# Altium PCB UCL-CPUM-H7-1.PcbDoc (part 2 of 3) (continued)
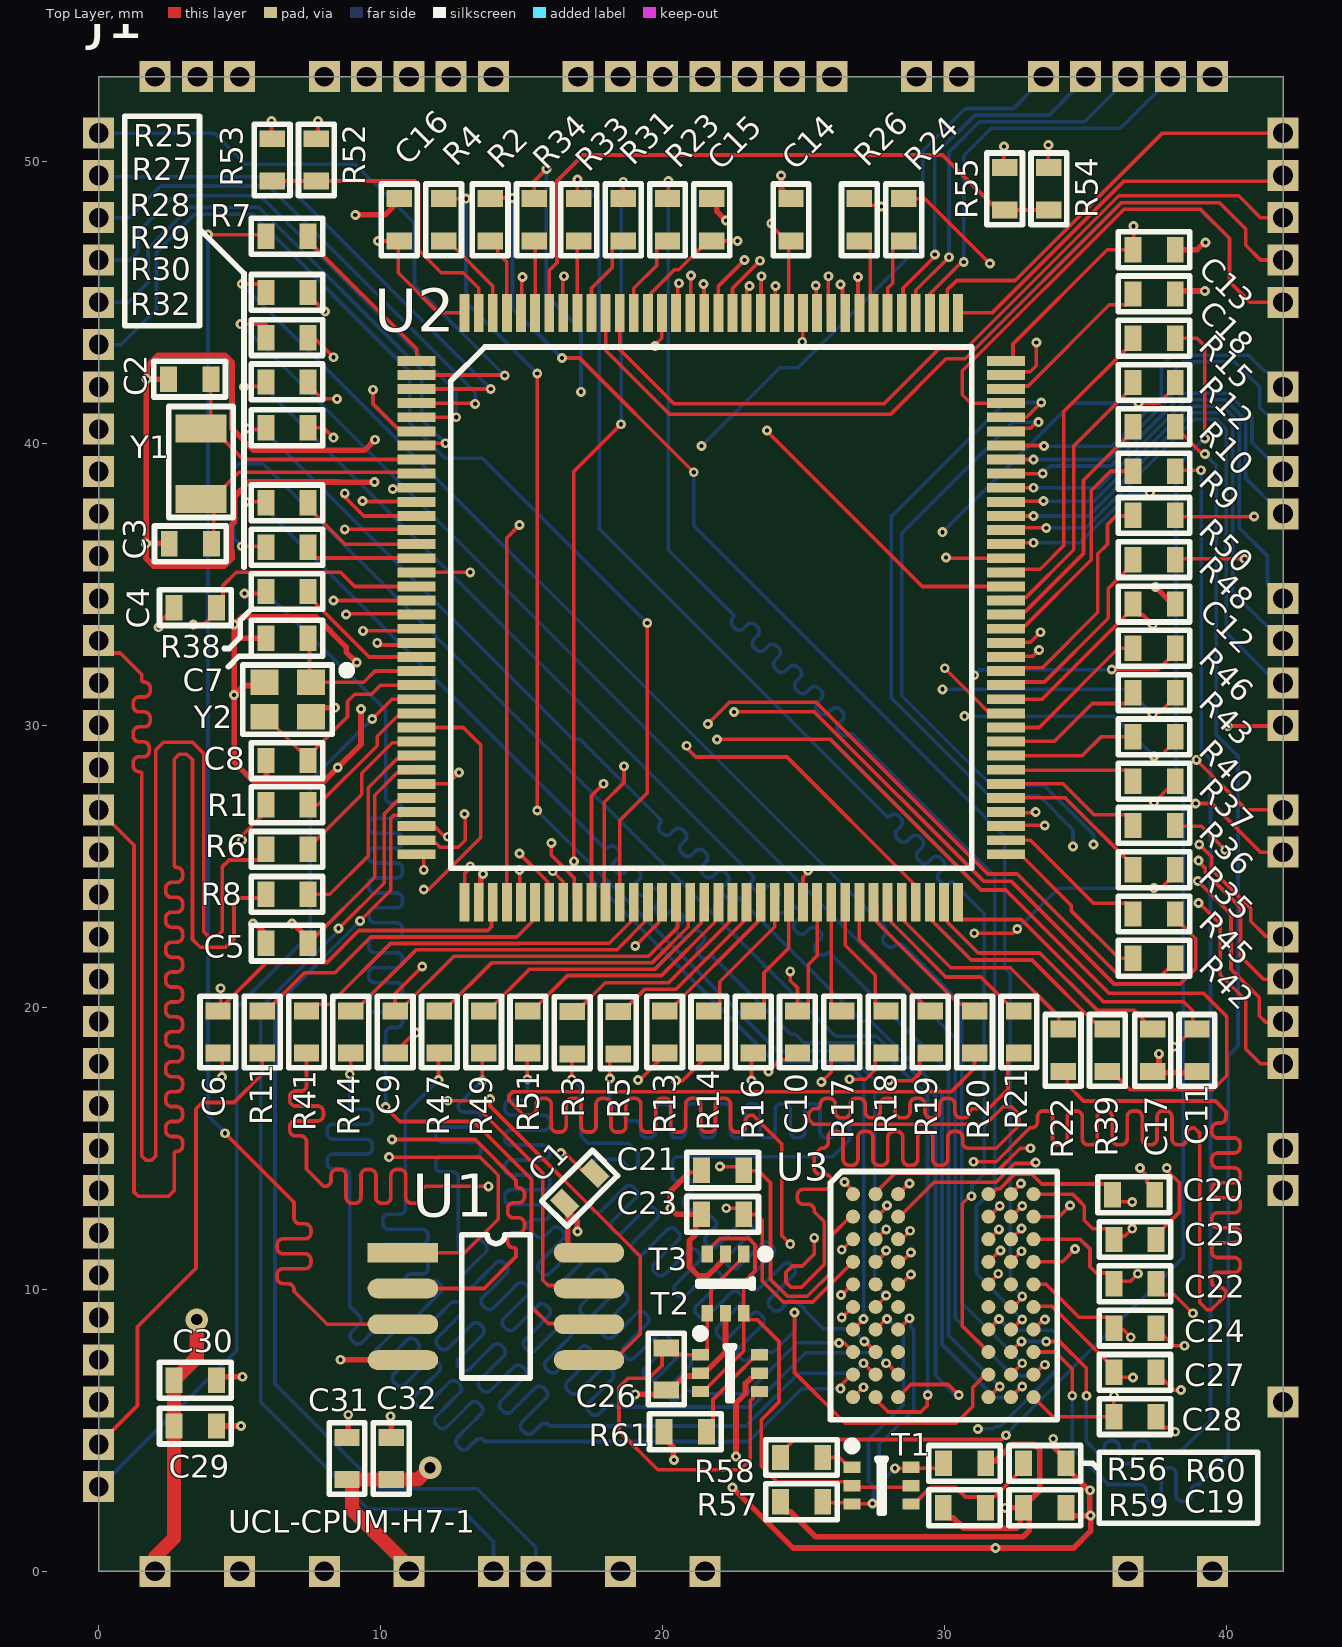
[diagram p0: Top Layer view]
## Nets (pads, with @x,y where several pads share a name; then routed paths per layer and width w, separated by ;. In a path a pad name is that pad's centre, name@x,y a point inside that pad or via, vN(x,y) a via of type N, cw(c..) or ccw(c..) an arc to the next point about the centre after c; other vN are vias at no path point) (continued)
SDRAM_A5: R32.1 U3.K3 | length 51.6
  Top Layer w0.13: v1(5.075,36.35) 5.916,36.35 R32.1@5.95,36.316 ; U3.K3@28.35,6.175 28.8,6.625 30.125,6.625 v1(30.5,6.25)
  Bottom Layer w0.13: v1(5.075,36.35) 4.779,36.646 4.779,39.079 4.975,39.275 5.825,39.275 26.125,18.975 27.595,18.975 29.675,16.895 29.675,6.95 30.05,6.575 30.05,6.55 30.308,6.292 30.458,6.292 v1(30.5,6.25)
SDRAM_A6: R44.1 U3.J1 | length 50.8
  Top Layer w0.13: v1(8.9,17.625) 8.939,17.664 R44.1@8.939,18.375 ; v1(26.301,6.476) 26.301,6.576 26.7,6.975 U3.J1@26.75,6.975
  Bottom Layer w0.13: v1(8.9,17.625) 8.9,16.65 8.9,16.597 ccw(c9.112,16.597) 9.112,16.385 9.488,16.385 cw(c9.488,16.173) 9.7,16.173 9.7,16.067 cw(c9.488,16.067) 9.488,15.855 8.9,15.855 8.312,15.855 ccw(c8.312,15.643) 8.1,15.643 8.1,15.537 ccw(c8.312,15.537) 8.312,15.325 8.9,15.325 9.488,15.325 cw(c9.488,15.113) 9.7,15.113 9.7,15.007 cw(c9.488,15.007) 9.488,14.795 8.9,14.795 8.312,14.795 ccw(c8.312,14.583) 8.1,14.583 8.1,14.477 ccw(c8.312,14.477) 8.312,14.265 8.688,14.265 cw(c8.688,14.053) 8.9,14.053 8.9,13.875 8.9,9.4 9.012,9.288 9.015,9.285 9.24,9.06 cw(c9.09,8.91) 9.24,8.76 8.974,8.494 ccw(c9.124,8.344) 8.974,8.194 9.049,8.119 ccw(c9.199,8.269) 9.349,8.119 9.765,8.535 10.181,8.951 cw(c10.331,8.801) 10.481,8.951 10.556,8.876 cw(c10.406,8.726) 10.556,8.576 10.14,8.16 9.724,7.744 ccw(c9.874,7.595) 9.724,7.445 9.799,7.37 ccw(c9.949,7.52) 10.099,7.37 10.514,7.786 10.93,8.201 cw(c11.08,8.051) 11.23,8.201 11.305,8.126 cw(c11.155,7.976) 11.305,7.827 10.889,7.411 10.473,6.995 ccw(c10.623,6.845) 10.473,6.695 10.548,6.62 ccw(c10.698,6.77) 10.848,6.62 11.264,7.036 11.68,7.452 cw(c11.83,7.302) 11.98,7.452 12.055,7.377 cw(c11.905,7.227) 12.055,7.077 11.639,6.661 11.223,6.245 ccw(c11.373,6.096) 11.223,5.946 11.298,5.871 ccw(c11.448,6.021) 11.598,5.871 12.014,6.286 12.429,6.702 cw(c12.579,6.552) 12.729,6.702 12.804,6.627 cw(c12.654,6.477) 12.804,6.327 12.388,5.912 11.973,5.496 ccw(c12.122,5.346) 11.973,5.196 12.047,5.121 ccw(c12.197,5.271) 12.347,5.121 12.763,5.537 13.179,5.953 cw(c13.329,5.803) 13.479,5.953 13.554,5.878 cw(c13.404,5.728) 13.554,5.578 13.138,5.162 12.722,4.746 ccw(c12.872,4.596) 12.722,4.447 12.797,4.372 ccw(c12.947,4.522) 13.097,4.372 13.363,4.637 cw(c13.513,4.488) 13.663,4.637 13.7,4.6 23.05,4.6 24.926,6.476 v1(26.301,6.476)
SDRAM_A7: R47.1 U3.J2 | length 50.8
  Top Layer w0.13: v1(12.05,17.425) 12.05,18.345 R47.1@12.08,18.375 ; v1(27.125,7.375) 27.525,6.975 U3.J2@27.55,6.975
  Bottom Layer w0.13: v1(12.05,17.425) 10.875,16.25 10.875,13 10.875,12.872 cw(c10.663,12.872) 10.663,12.66 10.287,12.66 ccw(c10.287,12.448) 10.075,12.448 10.075,12.342 ccw(c10.287,12.342) 10.287,12.13 10.875,12.13 11.463,12.13 cw(c11.463,11.918) 11.675,11.918 11.675,11.812 cw(c11.463,11.812) 11.463,11.6 10.875,11.6 10.287,11.6 ccw(c10.287,11.388) 10.075,11.388 10.075,11.282 ccw(c10.287,11.282) 10.287,11.07 10.875,11.07 11.463,11.07 cw(c11.463,10.858) 11.675,10.858 11.675,10.752 cw(c11.463,10.752) 11.463,10.54 11.087,10.54 ccw(c11.087,10.328) 10.875,10.328 10.875,10.275 10.941,10.209 11.166,9.984 ccw(c11.315,10.134) 11.465,9.984 11.731,10.25 cw(c11.881,10.1) 12.031,10.25 12.106,10.175 cw(c11.956,10.025) 12.106,9.876 11.69,9.46 11.274,9.044 ccw(c11.424,8.894) 11.274,8.744 11.349,8.669 ccw(c11.499,8.819) 11.649,8.669 12.065,9.085 12.481,9.501 cw(c12.631,9.351) 12.781,9.501 12.856,9.426 cw(c12.706,9.276) 12.856,9.126 12.44,8.71 12.024,8.294 ccw(c12.174,8.145) 12.024,7.995 12.099,7.92 ccw(c12.249,8.07) 12.399,7.92 12.814,8.336 13.23,8.751 cw(c13.38,8.601) 13.53,8.751 13.605,8.676 cw(c13.455,8.526) 13.605,8.377 13.189,7.961 12.773,7.545 ccw(c12.923,7.395) 12.773,7.245 12.848,7.17 ccw(c12.998,7.32) 13.148,7.17 13.564,7.586 13.98,8.002 cw(c14.13,7.852) 14.28,8.002 14.355,7.927 cw(c14.205,7.777) 14.355,7.627 13.939,7.211 13.523,6.795 ccw(c13.673,6.646) 13.523,6.496 13.598,6.421 ccw(c13.748,6.571) 13.898,6.421 14.314,6.836 14.729,7.252 cw(c14.879,7.102) 15.029,7.252 15.104,7.177 cw(c14.954,7.027) 15.104,6.877 14.688,6.462 14.273,6.046 ccw(c14.422,5.896) 14.273,5.746 14.347,5.671 ccw(c14.497,5.821) 14.647,5.671 15.063,6.087 15.479,6.503 cw(c15.629,6.353) 15.779,6.503 15.854,6.428 cw(c15.704,6.278) 15.854,6.128 15.438,5.712 15.022,5.296 ccw(c15.172,5.146) 15.022,4.997 15.097,4.922 ccw(c15.247,5.072) 15.397,4.922 15.663,5.187 cw(c15.813,5.038) 15.963,5.187 16,5.15 22.95,5.15 24.825,7.025 26.775,7.025 v1(27.125,7.375)
SDRAM_A8: R49.1 U3.J3 | length 51.5
  Top Layer w0.13: v1(13.6,17.4) 13.6,18.325 R49.1@13.65,18.375 ; v1(27.925,7.375) 27.95,7.375 U3.J3@28.35,6.975
  Bottom Layer w0.13: v1(13.6,17.4) 12.75,16.55 12.75,16.497 ccw(c12.962,16.497) 12.962,16.285 13.338,16.285 cw(c13.338,16.073) 13.55,16.073 13.55,15.967 cw(c13.338,15.967) 13.338,15.755 12.75,15.755 12.162,15.755 ccw(c12.162,15.543) 11.95,15.543 11.95,15.437 ccw(c12.162,15.437) 12.162,15.225 12.75,15.225 13.338,15.225 cw(c13.338,15.013) 13.55,15.013 13.55,14.907 cw(c13.338,14.907) 13.338,14.695 12.75,14.695 12.162,14.695 ccw(c12.162,14.483) 11.95,14.483 11.95,14.377 ccw(c12.162,14.377) 12.162,14.165 12.538,14.165 cw(c12.538,13.953) 12.75,13.953 12.75,13.925 12.75,11.7 12.75,11.69 12.75,11.425 12.766,11.409 ccw(c12.916,11.559) 13.066,11.409 13.332,11.675 cw(c13.482,11.525) 13.631,11.675 13.706,11.6 cw(c13.557,11.45) 13.706,11.3 13.291,10.884 12.875,10.469 ccw(c13.025,10.319) 12.875,10.169 12.95,10.094 ccw(c13.1,10.244) 13.25,10.094 13.665,10.51 14.081,10.925 cw(c14.231,10.775) 14.381,10.925 14.456,10.85 cw(c14.306,10.7) 14.456,10.551 14.04,10.135 13.624,9.719 ccw(c13.774,9.569) 13.624,9.419 13.699,9.344 ccw(c13.849,9.494) 13.999,9.344 14.415,9.76 14.831,10.176 cw(c14.981,10.026) 15.131,10.176 15.206,10.101 cw(c15.056,9.951) 15.206,9.801 14.79,9.385 14.374,8.969 ccw(c14.524,8.82) 14.374,8.67 14.449,8.595 ccw(c14.599,8.745) 14.749,8.595 15.164,9.011 15.58,9.426 cw(c15.73,9.276) 15.88,9.426 15.955,9.351 cw(c15.805,9.201) 15.955,9.052 15.539,8.636 15.123,8.22 ccw(c15.273,8.07) 15.123,7.92 15.198,7.845 ccw(c15.348,7.995) 15.498,7.845 15.914,8.261 16.33,8.677 cw(c16.48,8.527) 16.63,8.677 16.705,8.602 cw(c16.555,8.452) 16.705,8.302 16.289,7.886 15.873,7.47 ccw(c16.023,7.321) 15.873,7.171 15.948,7.096 ccw(c16.098,7.246) 16.248,7.096 16.664,7.511 17.079,7.927 cw(c17.229,7.777) 17.379,7.927 17.454,7.852 cw(c17.304,7.702) 17.454,7.552 17.038,7.137 16.623,6.721 ccw(c16.772,6.571) 16.623,6.421 16.697,6.346 ccw(c16.847,6.496) 16.997,6.346 17.413,6.762 17.829,7.178 cw(c17.979,7.028) 18.129,7.178 18.204,7.103 cw(c18.054,6.953) 18.204,6.803 17.788,6.387 17.372,5.971 ccw(c17.522,5.821) 17.372,5.672 17.447,5.597 ccw(c17.597,5.747) 17.747,5.597 18.013,5.862 cw(c18.163,5.713) 18.313,5.862 18.35,5.825 23.15,5.825 25.075,7.75 27.55,7.75 v1(27.925,7.375)
SDRAM_A9: R51.1 U3.H1 | length 51.6
  Top Layer w0.13: v1(15.2,17.45) 15.2,18.355 R51.1@15.22,18.375 ; v1(26.25,8.1) 26.425,8.1 U3.H1@26.75,7.775
  Bottom Layer w0.13: v1(15.2,17.45) 15.2,17.025 15.2,16.917 cw(c14.988,16.917) 14.988,16.705 14.616,16.705 ccw(c14.616,16.493) 14.404,16.493 14.404,16.387 ccw(c14.616,16.387) 14.616,16.175 15.2,16.175 15.784,16.175 cw(c15.784,15.963) 15.996,15.963 15.996,15.857 cw(c15.784,15.857) 15.784,15.645 15.2,15.645 14.616,15.645 ccw(c14.616,15.433) 14.404,15.433 14.404,15.327 ccw(c14.616,15.327) 14.616,15.115 15.2,15.115 15.784,15.115 cw(c15.784,14.903) 15.996,14.903 15.996,14.797 cw(c15.784,14.797) 15.784,14.585 15.2,14.585 14.616,14.585 ccw(c14.616,14.373) 14.404,14.373 14.404,14.267 ccw(c14.616,14.267) 14.616,14.055 15.2,14.055 15.784,14.055 cw(c15.784,13.843) 15.996,13.843 15.996,13.737 cw(c15.784,13.737) 15.784,13.525 15.2,13.525 14.616,13.525 ccw(c14.616,13.313) 14.404,13.313 14.404,13.207 ccw(c14.616,13.207) 14.616,12.995 15.2,12.995 15.784,12.995 cw(c15.784,12.783) 15.996,12.783 15.996,12.677 cw(c15.784,12.677) 15.784,12.465 15.412,12.465 ccw(c15.412,12.253) 15.2,12.253 15.2,12.2 15.291,12.109 15.516,11.884 ccw(c15.666,12.034) 15.816,11.884 16.079,12.147 cw(c16.229,11.997) 16.379,12.147 16.454,12.072 cw(c16.304,11.922) 16.454,11.772 16.041,11.359 15.628,10.946 ccw(c15.778,10.797) 15.628,10.647 15.703,10.572 ccw(c15.853,10.722) 16.002,10.572 16.415,10.985 16.828,11.398 cw(c16.978,11.248) 17.128,11.398 17.203,11.323 cw(c17.053,11.173) 17.203,11.023 16.79,10.61 16.377,10.197 ccw(c16.527,10.047) 16.377,9.897 16.452,9.822 ccw(c16.602,9.972) 16.752,9.822 17.165,10.235 17.578,10.648 cw(c17.728,10.498) 17.878,10.648 17.953,10.573 cw(c17.803,10.423) 17.953,10.273 17.54,9.86 17.127,9.447 ccw(c17.277,9.297) 17.127,9.148 17.202,9.073 ccw(c17.352,9.222) 17.502,9.073 17.914,9.486 18.327,9.898 cw(c18.477,9.749) 18.627,9.898 18.702,9.823 cw(c18.552,9.674) 18.702,9.524 18.289,9.111 17.876,8.698 ccw(c18.026,8.548) 17.876,8.398 17.951,8.323 ccw(c18.101,8.473) 18.251,8.323 18.664,8.736 19.077,9.149 cw(c19.227,8.999) 19.377,9.149 19.452,9.074 cw(c19.302,8.924) 19.452,8.774 19.039,8.361 18.626,7.948 ccw(c18.776,7.798) 18.626,7.648 18.701,7.574 ccw(c18.851,7.723) 19.001,7.574 19.414,7.986 19.826,8.399 cw(c19.976,8.249) 20.126,8.399 20.201,8.324 cw(c20.051,8.175) 20.201,8.025 19.788,7.612 19.375,7.199 ccw(c19.525,7.049) 19.375,6.899 19.45,6.824 ccw(c19.6,6.974) 19.75,6.824 20.163,7.237 20.576,7.65 cw(c20.726,7.5) 20.876,7.65 20.951,7.575 cw(c20.801,7.425) 20.951,7.275 20.538,6.862 20.17,6.495 ccw(c20.32,6.345) 20.17,6.195 20.245,6.12 ccw(c20.395,6.27) 20.545,6.12 20.763,6.337 cw(c20.913,6.188) 21.063,6.337 21.1,6.3 22.975,6.3 24.775,8.1 v1(26.25,8.1)
SDRAM_A10: R3.2 U3.J7 | length 50.9
  Top Layer w0.13: v1(16.775,17.45) 16.775,18.334 R3.2@16.791,18.35 ; v1(24.676,9.176) 24.676,7.049 26.475,5.25 30.4,5.25 31,5.85 31,6.525 31.45,6.975 U3.J7@31.55,6.975
  Bottom Layer w0.13: v1(16.775,17.45) 17.1,17.125 17.1,15.425 17.35,15.175 18.775,15.175 19.125,14.825 19.125,14.351 19.049,14.275 18.825,14.275 18.5,14.6 17.6,14.6 17.4,14.4 17.4,14.05 17.5,13.95 17.725,13.725 cw(c17.575,13.575) 17.725,13.425 17.459,13.159 ccw(c17.609,13.01) 17.459,12.86 17.534,12.785 ccw(c17.684,12.935) 17.834,12.785 18.25,13.2 18.665,13.616 cw(c18.815,13.466) 18.965,13.616 19.04,13.541 cw(c18.89,13.391) 19.04,13.241 18.624,12.826 18.209,12.41 ccw(c18.358,12.26) 18.209,12.11 18.283,12.035 ccw(c18.433,12.185) 18.583,12.035 18.999,12.451 19.415,12.867 cw(c19.565,12.717) 19.715,12.867 19.79,12.792 cw(c19.64,12.642) 19.79,12.492 19.374,12.076 18.958,11.66 ccw(c19.108,11.51) 18.958,11.361 19.033,11.286 ccw(c19.183,11.436) 19.333,11.286 19.749,11.701 20.164,12.117 cw(c20.314,11.967) 20.464,12.117 20.539,12.042 cw(c20.389,11.892) 20.539,11.742 20.123,11.327 19.708,10.911 ccw(c19.858,10.761) 19.708,10.611 19.783,10.536 ccw(c19.932,10.686) 20.082,10.536 20.498,10.952 20.914,11.368 cw(c21.064,11.218) 21.214,11.368 21.289,11.293 cw(c21.139,11.143) 21.289,10.993 20.873,10.577 20.457,10.161 ccw(c20.607,10.011) 20.457,9.861 20.532,9.787 ccw(c20.682,9.936) 20.832,9.787 21.248,10.202 21.663,10.618 cw(c21.813,10.468) 21.963,10.618 22.038,10.543 cw(c21.888,10.393) 22.038,10.243 21.622,9.828 21.207,9.412 ccw(c21.357,9.262) 21.207,9.112 21.282,9.037 ccw(c21.432,9.187) 21.581,9.037 21.997,9.453 22.413,9.869 cw(c22.563,9.719) 22.713,9.869 22.788,9.794 cw(c22.638,9.644) 22.788,9.494 22.372,9.078 21.956,8.662 ccw(c22.106,8.512) 21.956,8.362 22.031,8.287 ccw(c22.181,8.437) 22.331,8.287 22.747,8.703 23.163,9.119 cw(c23.312,8.969) 23.462,9.119 23.537,9.044 cw(c23.387,8.894) 23.537,8.744 23.122,8.328 22.706,7.913 ccw(c22.856,7.763) 22.706,7.613 22.781,7.538 ccw(c22.931,7.688) 23.08,7.538 23.346,7.804 cw(c23.496,7.654) 23.646,7.804 23.684,7.766 23.916,7.766 24.7,8.55 24.7,9.127 24.676,9.151 v1(24.676,9.176)
SDRAM_A11: R5.2 U3.H2 | length 52.1
  Top Layer w0.13: v1(18.125,17.475) 18.125,18.115 18.36,18.35 R5.2@18.425,18.35 ; v1(27.15,8.15) 27.175,8.15 U3.H2@27.55,7.775 U3.H2@27.6,7.725
  Bottom Layer w0.13: v1(18.125,17.475) 18.125,16.625 18.775,15.975 18.8,15.975 19.007,15.975 cw(c19.007,15.763) 19.219,15.763 19.219,15.587 ccw(c19.431,15.587) 19.431,15.375 19.537,15.375 ccw(c19.537,15.587) 19.749,15.587 19.749,15.975 19.749,16.363 cw(c19.961,16.363) 19.961,16.575 20.067,16.575 cw(c20.067,16.363) 20.279,16.363 20.279,15.975 20.279,15.587 ccw(c20.491,15.587) 20.491,15.375 20.597,15.375 ccw(c20.597,15.587) 20.809,15.587 20.809,15.975 20.809,16.363 cw(c21.021,16.363) 21.021,16.575 21.127,16.575 cw(c21.127,16.363) 21.339,16.363 21.339,15.975 21.339,15.587 ccw(c21.551,15.587) 21.551,15.375 21.657,15.375 ccw(c21.657,15.587) 21.869,15.587 21.869,15.975 21.869,16.363 cw(c22.081,16.363) 22.081,16.575 22.187,16.575 cw(c22.187,16.363) 22.399,16.363 22.399,15.975 22.399,15.587 ccw(c22.611,15.587) 22.611,15.375 22.717,15.375 ccw(c22.717,15.587) 22.929,15.587 22.929,15.975 22.929,16.363 cw(c23.141,16.363) 23.141,16.575 23.247,16.575 cw(c23.247,16.363) 23.459,16.363 23.459,15.975 23.459,15.587 ccw(c23.671,15.587) 23.671,15.375 23.777,15.375 ccw(c23.777,15.587) 23.989,15.587 23.989,15.975 23.989,16.363 cw(c24.201,16.363) 24.201,16.575 24.307,16.575 cw(c24.307,16.363) 24.519,16.363 24.519,15.975 24.519,15.587 ccw(c24.731,15.587) 24.731,15.375 24.837,15.375 ccw(c24.837,15.587) 25.049,15.587 25.049,15.975 25.049,16.363 cw(c25.261,16.363) 25.261,16.575 25.367,16.575 cw(c25.367,16.363) 25.579,16.363 25.579,15.975 25.579,15.587 ccw(c25.791,15.587) 25.791,15.375 25.897,15.375 ccw(c25.897,15.587) 26.109,15.587 26.109,15.763 cw(c26.321,15.763) 26.321,15.975 26.374,15.975 26.625,15.724 26.625,15.3 26.025,14.7 20.475,14.7 20.35,14.575 20.35,13.95 20.404,13.896 ccw(c20.537,14.028) 20.67,13.896 cw(c20.82,13.746) 20.97,13.896 21.045,13.821 cw(c20.895,13.671) 21.045,13.521 20.912,13.388 20.779,13.255 ccw(c20.929,13.105) 20.779,12.955 20.854,12.88 ccw(c21.004,13.03) 21.154,12.88 cw(c21.287,12.747) 21.42,12.88 21.7,12.6 21.888,12.413 cw(c21.801,12.326) 21.888,12.24 21.558,11.911 ccw(c21.708,11.761) 21.558,11.611 21.633,11.536 ccw(c21.783,11.686) 21.933,11.536 22.348,11.952 22.764,12.368 cw(c22.914,12.218) 23.064,12.368 23.139,12.293 cw(c22.989,12.143) 23.139,11.993 22.723,11.577 22.307,11.161 ccw(c22.457,11.011) 22.307,10.861 22.382,10.786 ccw(c22.532,10.936) 22.682,10.786 23.098,11.202 23.514,11.618 cw(c23.663,11.468) 23.813,11.618 23.888,11.543 cw(c23.738,11.393) 23.888,11.243 23.473,10.827 23.057,10.412 ccw(c23.207,10.262) 23.057,10.112 23.132,10.037 ccw(c23.282,10.187) 23.432,10.037 23.847,10.453 24.263,10.868 cw(c24.413,10.719) 24.563,10.868 24.638,10.793 cw(c24.488,10.644) 24.638,10.494 24.222,10.078 23.806,9.662 ccw(c23.956,9.512) 23.806,9.362 23.881,9.287 ccw(c24.031,9.437) 24.181,9.287 24.447,9.553 cw(c24.597,9.403) 24.747,9.553 24.784,9.516 24.817,9.516 25.016,9.317 25.016,9.284 25.7,8.6 26.7,8.6 v1(27.15,8.15)
SDRAM_BA0: R9.2 U3.H8 | length 47.3
  Top Layer w0.13: U3.H8@32.35,7.775 32.35,7.8 32.7,8.15 v1(32.725,8.15) ; v1(33.6,8.15) 34.075,8.15 35.025,7.2 v1(35.025,6.225) ; R9.2@38.175,39.016 38.202,39.043 v1(39.093,39.043)
  Bottom Layer w0.13: v1(32.725,8.15) v1(33.6,8.15) ; v1(35.025,6.225) 35.025,4.6 35.4,4.225 35.477,4.225 ccw(c35.477,4.413) 35.665,4.413 cw(c35.877,4.413) 35.877,4.625 35.983,4.625 cw(c35.983,4.413) 36.195,4.413 36.195,4.225 36.195,4.037 ccw(c36.407,4.037) 36.407,3.825 36.513,3.825 ccw(c36.513,4.037) 36.725,4.037 36.725,4.225 36.725,4.413 cw(c36.937,4.413) 36.937,4.625 37.043,4.625 cw(c37.043,4.413) 37.255,4.413 ccw(c37.443,4.413) 37.443,4.225 37.7,4.225 38.325,4.225 39.425,5.325 39.425,28.8 39.093,29.132 v1(39.093,39.043)
SDRAM_BA1: R10.2 U3.H9 | length 51.4
  Top Layer w0.13: U3.H9@33.15,7.775 33.2,7.775 33.225,7.8 33.25,7.775 33.925,7.775 34.525,7.175 v1(34.525,6.225) ; R10.2@38.175,40.586 39.136,39.625 v1(39.225,39.625)
  Bottom Layer w0.13: v1(34.525,6.225) 34.525,4.35 35.8,3.075 36.75,3.075 36.933,3.075 cw(c36.933,2.863) 37.145,2.863 37.145,2.687 ccw(c37.357,2.687) 37.357,2.475 37.463,2.475 ccw(c37.463,2.687) 37.675,2.687 37.675,3.075 37.675,3.463 cw(c37.887,3.463) 37.887,3.675 37.993,3.675 cw(c37.993,3.463) 38.205,3.463 38.205,3.075 38.205,2.687 ccw(c38.417,2.687) 38.417,2.475 38.523,2.475 ccw(c38.523,2.687) 38.735,2.687 38.735,2.863 cw(c38.947,2.863) 38.947,3.075 39,3.075 40.05,4.125 40.05,18.275 40.4,18.625 40.4,28.9 39.625,29.675 39.625,39.225 v1(39.225,39.625)
SDRAM_CK_N: R56.1 T1.6 U3.G3 | length 9.2
  Top Layer w0.13: v1(28.235,3.65) T1.6@28.81,3.65 ; U3.G3@28.35,8.575 v1(28.75,8.975) ; T1.6@28.875,3.65 29.781,3.65 R56.1@29.956,3.825
  Bottom Layer w0.13: v1(28.235,3.65) 27.864,3.279 27.757,3.279 27.681,3.355 27.681,4.506 28.905,5.73 28.905,8.557 28.792,8.67 28.792,8.933 v1(28.75,8.975)
SDRAM_CK_P: R57.1 T1.3 U3.G2 | length 10
  Top Layer w0.13: R57.1@25.675,2.465 25.715,2.425 T1.3@26.71,2.425 ; T1.3@26.71,2.385 T1.3@26.71,2.425 ; T1.3@26.775,2.385 26.735,2.425 T1.3@26.71,2.425 ; v1(27.435,2.4) 26.935,2.4 26.885,2.45 26.785,2.35 T1.3@26.71,2.425 ; U3.G2@27.55,8.575 27.926,8.951 v1(27.951,8.951)
  Bottom Layer w0.13: v1(27.435,2.4) 27.477,2.442 27.477,2.762 27.488,2.772 27.488,3.01 27.301,3.198 27.301,4.663 28.525,5.887 28.525,8.4 27.974,8.951 v1(27.951,8.951)
SDRAM_D0: R48.2 U3.A8 | length 52.7
  Top Layer w0.13: U3.A8@32.35,13.375 32.35,13.387 32.7,13.738 v1(32.7,13.75) ; R48.2@38.175,35.875 38.202,35.902 v1(40.627,35.902)
  L4_Sig w0.13: v1@32.65,13.85 32.7,13.8 v1(32.7,13.75) 38.05,13.75 38.35,13.45 38.35,13.35 38.35,13.162 cw(c38.138,13.162) 38.138,12.95 37.762,12.95 ccw(c37.762,12.738) 37.55,12.738 37.55,12.632 ccw(c37.762,12.632) 37.762,12.42 38.35,12.42 38.938,12.42 cw(c38.938,12.208) 39.15,12.208 39.15,12.102 cw(c38.938,12.102) 38.938,11.89 38.35,11.89 37.762,11.89 ccw(c37.762,11.678) 37.55,11.678 37.55,11.572 ccw(c37.762,11.572) 37.762,11.36 38.35,11.36 38.938,11.36 cw(c38.938,11.148) 39.15,11.148 39.15,11.042 cw(c38.938,11.042) 38.938,10.83 38.35,10.83 37.762,10.83 ccw(c37.762,10.618) 37.55,10.618 37.55,10.512 ccw(c37.762,10.512) 37.762,10.3 38.35,10.3 38.938,10.3 cw(c38.938,10.088) 39.15,10.088 39.15,9.982 cw(c38.938,9.982) 38.938,9.77 38.35,9.77 37.762,9.77 ccw(c37.762,9.558) 37.55,9.558 37.55,9.452 ccw(c37.762,9.452) 37.762,9.24 38.138,9.24 cw(c38.138,9.028) 38.35,9.028 38.35,8.975 38.775,8.55 40.2,8.55 40.627,8.977 v1(40.627,35.902)
SDRAM_D1: R50.2 U3.B7 | length 53.1
  Top Layer w0.13: U3.B7@31.55,12.575 31.575,12.575 v1(31.95,12.95) ; R50.2@38.175,37.445 38.22,37.4 v1(40.975,37.4)
  L4_Sig w0.13: v1(31.95,12.95) 32.4,12.5 35.325,12.5 35.75,12.075 35.75,11.7 35.75,11.647 ccw(c35.962,11.647) 35.962,11.435 36.338,11.435 cw(c36.338,11.223) 36.55,11.223 36.55,11.117 cw(c36.338,11.117) 36.338,10.905 35.75,10.905 35.162,10.905 ccw(c35.162,10.693) 34.95,10.693 34.95,10.587 ccw(c35.162,10.587) 35.162,10.375 35.75,10.375 36.338,10.375 cw(c36.338,10.163) 36.55,10.163 36.55,10.057 cw(c36.338,10.057) 36.338,9.845 35.75,9.845 35.162,9.845 ccw(c35.162,9.633) 34.95,9.633 34.95,9.527 ccw(c35.162,9.527) 35.162,9.315 35.75,9.315 36.338,9.315 cw(c36.338,9.103) 36.55,9.103 36.55,8.997 cw(c36.338,8.997) 36.338,8.785 35.96,8.785 ccw(c35.96,8.575) 35.75,8.575 35.75,8.15 36.45,7.45 39.775,7.45 40.975,8.65 v1(40.975,37.4)
SDRAM_D2: R24.2 U3.B8 | length 52.6
  Top Layer w0.13: R24.2@28.545,48.675 29.3,48.675 v1(31.6,46.375) ; U3.B8@32.35,12.575 32.35,12.6 32.387,12.6 32.737,12.95 v1(32.75,12.95)
  L4_Sig w0.13: v1(31.6,46.375) 35.525,42.45 35.525,41.975 ccw(c35.72,41.975) 35.72,41.78 36.113,41.78 cw(c36.113,41.568) 36.325,41.568 36.325,41.462 cw(c36.113,41.462) 36.113,41.25 35.525,41.25 34.937,41.25 ccw(c34.937,41.038) 34.725,41.038 34.725,40.932 ccw(c34.937,40.932) 34.937,40.72 35.525,40.72 36.113,40.72 cw(c36.113,40.508) 36.325,40.508 36.325,40.402 cw(c36.113,40.402) 36.113,40.19 35.525,40.19 34.937,40.19 ccw(c34.937,39.978) 34.725,39.978 34.725,39.872 ccw(c34.937,39.872) 34.937,39.66 35.525,39.66 36.113,39.66 cw(c36.113,39.448) 36.325,39.448 36.325,39.342 cw(c36.113,39.342) 36.113,39.13 35.525,39.13 34.937,39.13 ccw(c34.937,38.918) 34.725,38.918 34.725,38.812 ccw(c34.937,38.812) 34.937,38.6 35.525,38.6 36.113,38.6 cw(c36.113,38.388) 36.325,38.388 36.325,38.282 cw(c36.113,38.282) 36.113,38.07 35.525,38.07 34.937,38.07 ccw(c34.937,37.858) 34.725,37.858 34.725,37.752 ccw(c34.937,37.752) 34.937,37.54 35.313,37.54 cw(c35.313,37.328) 35.525,37.328 35.525,37.275 35.525,36.2 32,32.675 32,13.7 v1(32.75,12.95)
SDRAM_D3: R26.2 U3.C7 | length 52.2
  Top Layer w0.13: R26.2@26.975,48.675 27.21,48.44 27.71,48.44 v1(27.75,48.4) v1@27.75,48.475 ; U3.C7@31.55,11.775 31.6,11.775 31.6,11.813 31.913,12.125 v1(31.925,12.125)
  L4_Sig w0.13: v1(27.75,48.4) 27.587,48.237 27.587,44.838 27.865,44.56 cw(c27.715,44.41) 27.865,44.26 27.599,43.994 ccw(c27.749,43.845) 27.599,43.695 27.674,43.62 ccw(c27.824,43.77) 27.974,43.62 28.389,44.036 28.805,44.451 cw(c28.955,44.301) 29.105,44.451 29.18,44.376 cw(c29.03,44.226) 29.18,44.077 28.764,43.661 28.348,43.245 ccw(c28.498,43.095) 28.348,42.945 28.423,42.87 ccw(c28.573,43.02) 28.723,42.87 29.139,43.286 29.555,43.702 cw(c29.705,43.552) 29.855,43.702 29.93,43.627 cw(c29.78,43.477) 29.93,43.327 29.514,42.911 29.098,42.495 ccw(c29.248,42.346) 29.098,42.196 29.173,42.121 ccw(c29.323,42.271) 29.473,42.121 29.889,42.536 30.304,42.952 cw(c30.454,42.802) 30.604,42.952 30.679,42.877 cw(c30.529,42.727) 30.679,42.577 30.263,42.162 29.848,41.746 ccw(c29.997,41.596) 29.848,41.446 29.922,41.371 ccw(c30.072,41.521) 30.222,41.371 30.638,41.787 31.054,42.203 cw(c31.204,42.053) 31.354,42.203 31.429,42.128 cw(c31.279,41.978) 31.429,41.828 31.013,41.412 30.597,40.996 ccw(c30.747,40.846) 30.597,40.697 30.672,40.622 ccw(c30.822,40.772) 30.972,40.622 31.238,40.887 cw(c31.388,40.738) 31.538,40.887 31.575,40.85 31.575,12.475 v1(31.925,12.125)
SDRAM_D4: R13.1 U3.C8 | length 52.3
  Top Layer w0.13: v1(19.125,17.425) 19.182,17.425 20.1,18.343 R13.1@20.068,18.375 ; U3.C8@32.35,11.775 32.363,11.775 32.363,11.787 v1(32.727,12.151)
  L4_Sig w0.13: v1(19.125,17.425) 18.75,17.05 16.2,17.05 15.637,16.488 15.623,16.473 ccw(c15.773,16.323) 15.623,16.174 15.677,16.12 cw(c15.527,15.97) 15.677,15.82 15.602,15.745 cw(c15.452,15.895) 15.302,15.745 15.099,15.949 14.895,16.152 ccw(c14.745,16.002) 14.595,16.152 14.52,16.077 ccw(c14.67,15.927) 14.52,15.778 14.724,15.574 14.928,15.37 cw(c14.778,15.22) 14.928,15.07 14.853,14.996 cw(c14.703,15.145) 14.553,14.996 14.349,15.199 14.146,15.403 ccw(c13.996,15.253) 13.846,15.403 13.771,15.328 ccw(c13.921,15.178) 13.771,15.028 13.974,14.824 14.178,14.621 cw(c14.028,14.471) 14.178,14.321 14.103,14.246 cw(c13.953,14.396) 13.803,14.246 13.6,14.45 13.396,14.653 ccw(c13.246,14.503) 13.096,14.653 13.021,14.578 ccw(c13.171,14.428) 13.021,14.279 13.075,14.225 cw(c12.925,14.075) 13.075,13.925 13.037,13.888 11.2,12.05 11.2,7.4 13.05,5.55 33.325,5.55 34.375,6.6 34.375,10.775 33.041,12.109 32.769,12.109 v1(32.727,12.151)
  Bottom Layer w0.13: v1@32.725,12.2 32.725,12.153 v1(32.727,12.151)
SDRAM_D5: R14.1 U3.D7 | length 52.8
  Top Layer w0.13: v1(20.475,17.4) 20.713,17.4 21.575,18.262 21.55,18.287 R14.1@21.638,18.375 ; U3.D7@31.55,10.975 31.562,10.975 31.962,11.375 v1(31.975,11.375)
  L4_Sig w0.13: v1(20.475,17.4) 19.75,16.675 17.75,16.675 12.725,11.65 12.725,11.597 ccw(c12.937,11.597) 12.937,11.385 13.113,11.385 cw(c13.113,11.173) 13.325,11.173 13.325,11.067 cw(c13.113,11.067) 13.113,10.855 12.725,10.855 12.337,10.855 ccw(c12.337,10.643) 12.125,10.643 12.125,10.537 ccw(c12.337,10.537) 12.337,10.325 12.725,10.325 13.113,10.325 cw(c13.113,10.113) 13.325,10.113 13.325,10.007 cw(c13.113,10.007) 13.113,9.795 12.725,9.795 12.337,9.795 ccw(c12.337,9.583) 12.125,9.583 12.125,9.477 ccw(c12.337,9.477) 12.337,9.265 12.725,9.265 13.113,9.265 cw(c13.113,9.053) 13.325,9.053 13.325,8.947 cw(c13.113,8.947) 13.113,8.735 12.937,8.735 ccw(c12.937,8.523) 12.725,8.523 12.725,8.45 12.725,7.625 13.64,6.71 19.74,6.71 23.216,6.71 23.406,6.9 23.459,6.9 ccw(c23.459,7.112) 23.671,7.112 23.671,7.188 cw(c23.883,7.188) 23.883,7.4 23.989,7.4 cw(c23.989,7.188) 24.201,7.188 24.201,6.9 24.201,6.612 ccw(c24.413,6.612) 24.413,6.4 24.519,6.4 ccw(c24.519,6.612) 24.731,6.612 24.731,6.9 24.731,7.188 cw(c24.943,7.188) 24.943,7.4 25.049,7.4 cw(c25.049,7.188) 25.261,7.188 25.261,6.9 25.261,6.612 ccw(c25.473,6.612) 25.473,6.4 25.579,6.4 ccw(c25.579,6.612) 25.791,6.612 25.791,6.741 cw(c25.95,6.741) 25.95,6.9 28.875,6.9 28.938,6.9 ccw(c28.938,7.112) 29.15,7.112 29.15,7.188 cw(c29.362,7.188) 29.362,7.4 29.468,7.4 cw(c29.468,7.188) 29.68,7.188 29.68,6.9 29.68,6.612 ccw(c29.892,6.612) 29.892,6.4 29.998,6.4 ccw(c29.998,6.612) 30.21,6.612 30.21,6.688 cw(c30.422,6.688) 30.422,6.9 30.475,6.9 33.05,6.9 33.2,7.05 33.2,11.525 32.975,11.75 32.35,11.75 v1(31.975,11.375)